# Altium PCB 2-quilter-output.PcbDoc (part 26 of 26)
Units mil, origin at the board's own origin, x right, y up, seen from the top; angles counter-clockwise.
Board outline 4130.55 x 4250 mil, 8 copper layers (L1, Ground L2, L3, Power L4, Ground L5, L6, Ground L7, L8), stack 62.985 mil thick; 591 components, 494 nets, 2245 pads, 1508 vias.
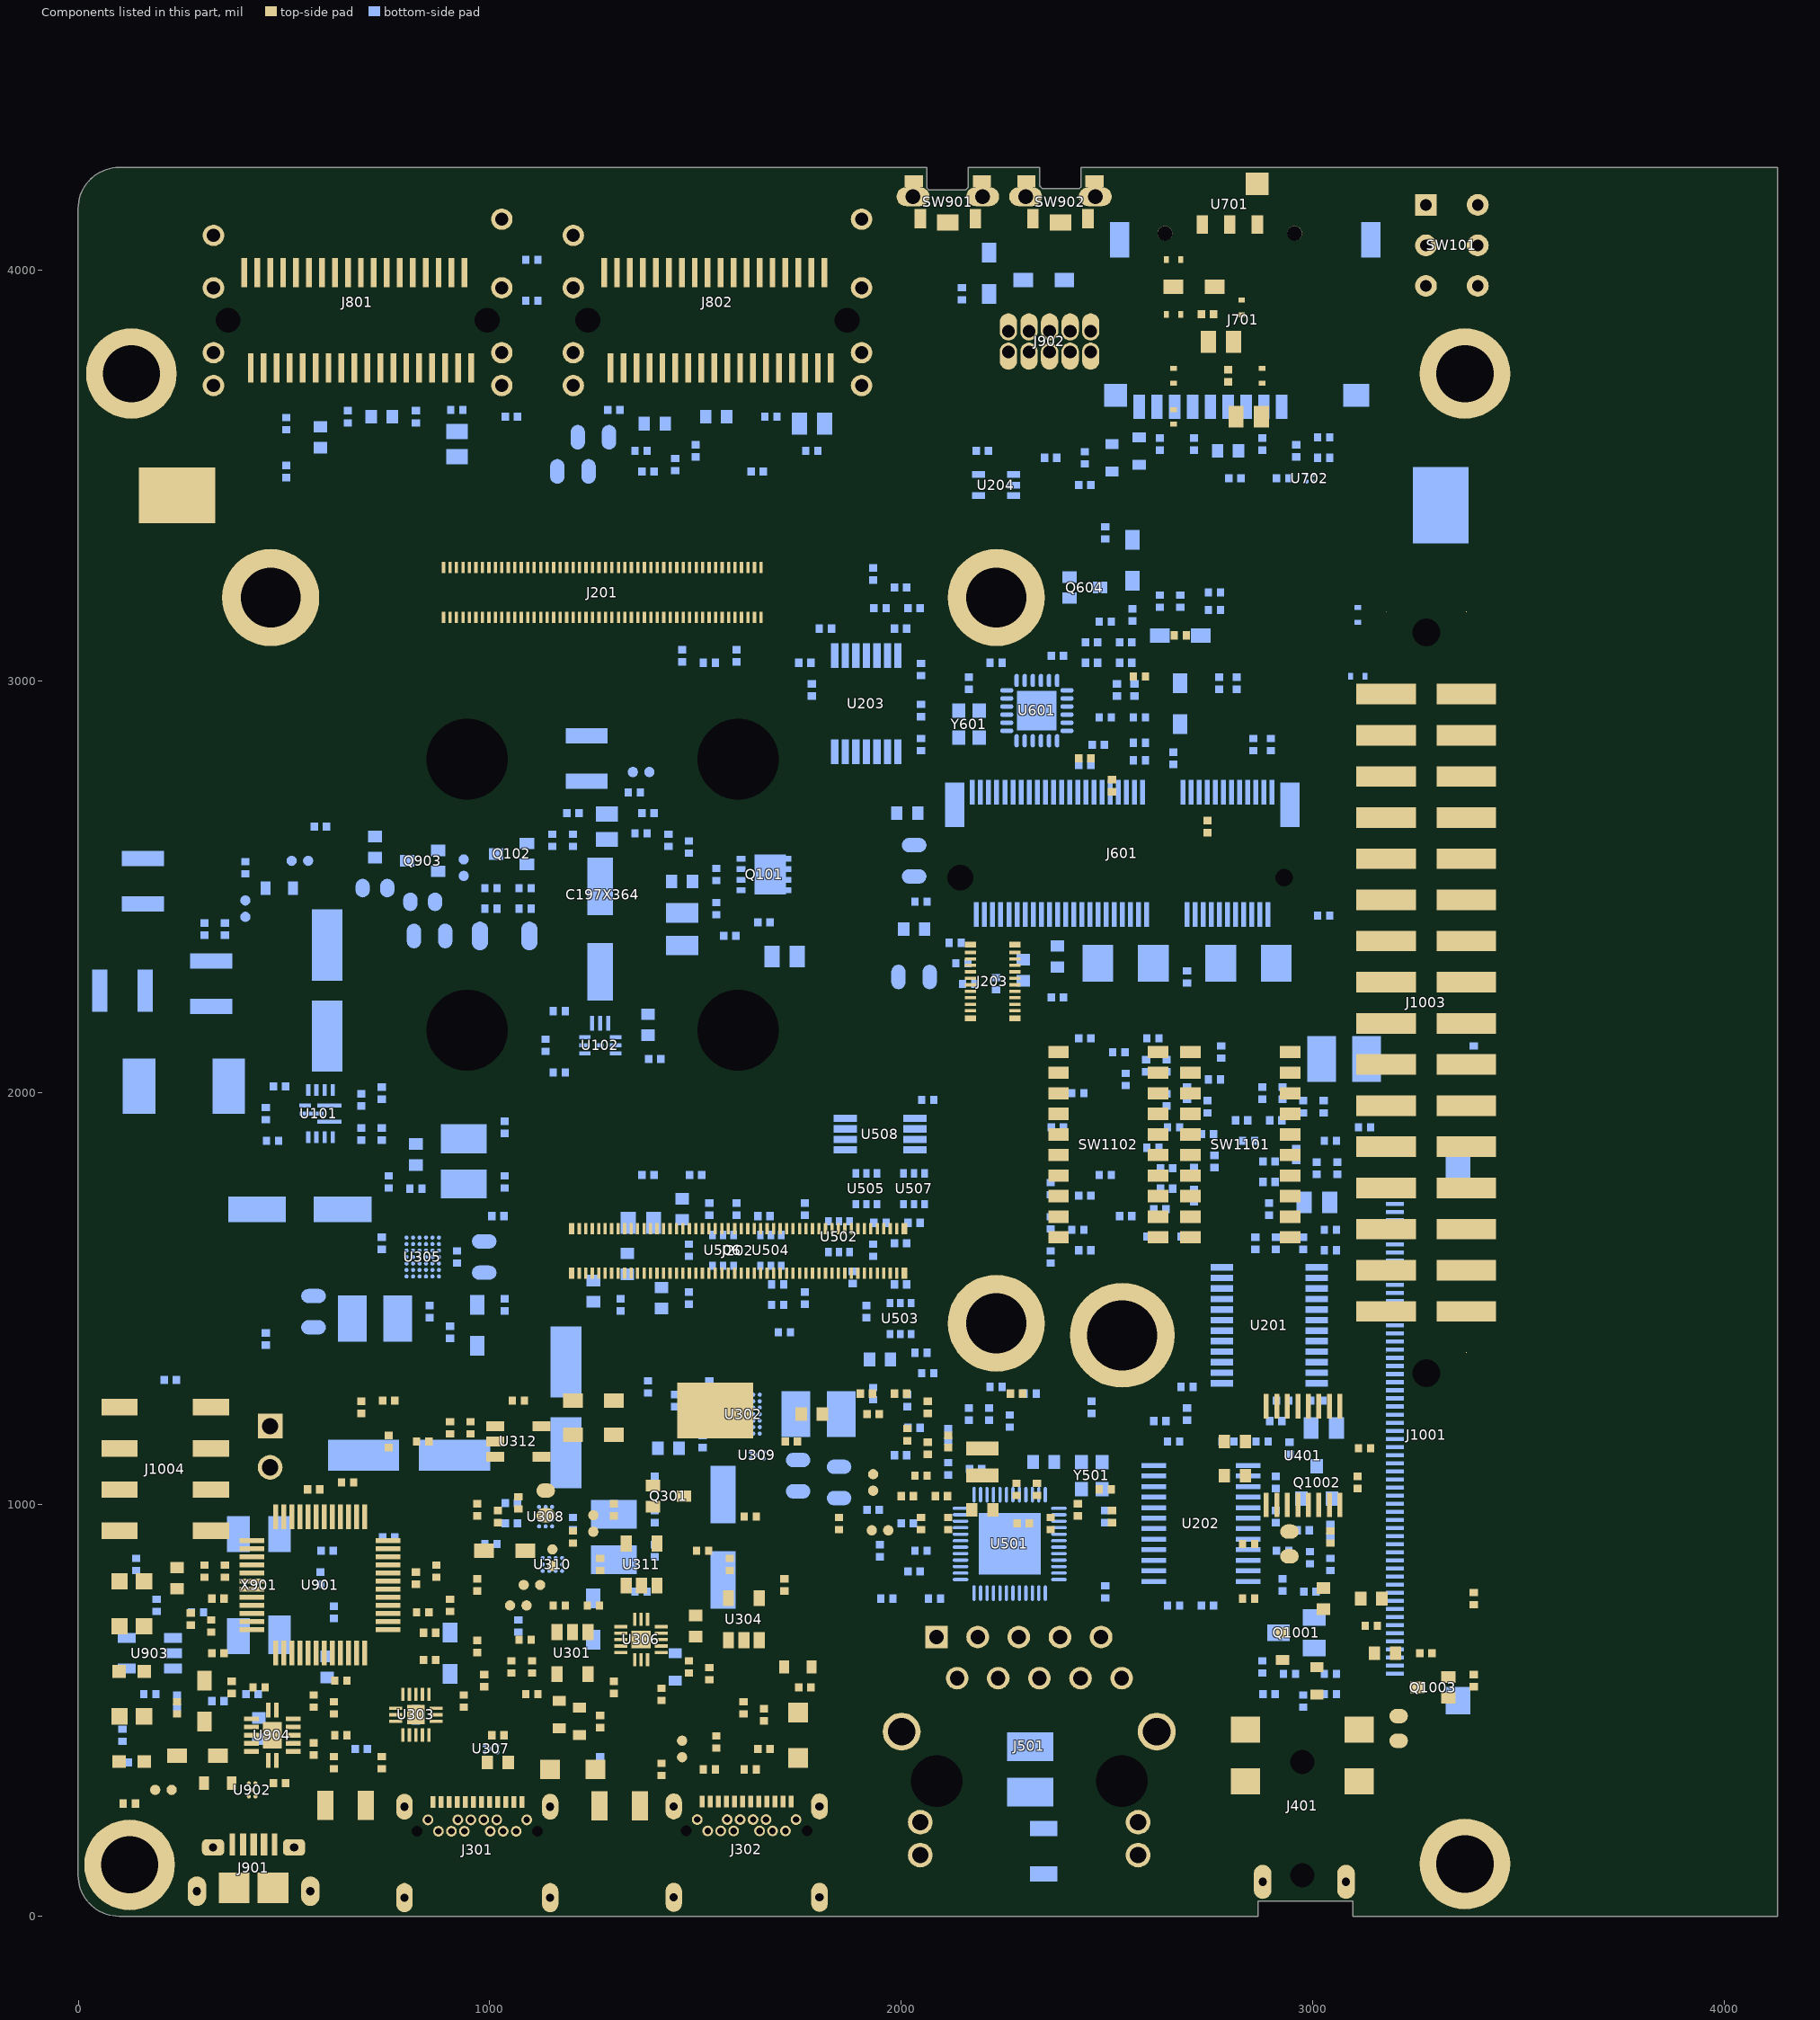
[diagram p32: the components of this part, seen from the top]

## Polygon pours and split planes (outlines as drawn) (continued)
VDD_3V3 on L8 "POUR_142" (solid, pour order 142): 27 vertices, not listed, extent 2490.26,1757.62 2531.67,1821.77
VDD_3V3 on L8 "POUR_143" (solid, pour order 143): 39 vertices, not listed, extent 2709.57,1877.96 2752.99,1935.23
VDD_3V3 on L8 "POUR_144" (solid, pour order 144): 31 vertices, not listed, extent 2902.22,1963.81 2949.22,2005.22
VDD_3V3 on L8 "POUR_145" (solid, pour order 145): 20 vertices, not listed, extent 2552.22,2106.62 2618.27,2153.8
VDD_3V3 on L8 "POUR_146" (solid, pour order 146): 37 vertices, not listed, extent 2607.33,1794.96 2651.45,1838.37
VDD_3V3 on L8 "POUR_147" (solid, pour order 147): 27 vertices, not listed, extent 2307.51,1894.56 2386.03,1937.98
VDD_3V3 on L8 "POUR_148" (solid, pour order 148): 28 vertices, not listed, extent 2606.38,1628.94 2647.79,1684.58
VDD_3V3 on L8 "POUR_149" (solid, pour order 149): 37 vertices, not listed, extent 2623.8,2030.22 2673.24,2071.63
VDD_3V3 on L8 "POUR_150" (solid, pour order 150): 29 vertices, not listed, extent 188.11,1274.94 229.52,1323.72
VDD_3V3 on L8 "POUR_151" (solid, pour order 151): 29 vertices, not listed, extent 1810.13,3106.48 1851.54,3159.02
VDD_3V3 on L8 "POUR_152" (solid, pour order 152): 37 vertices, not listed, extent 2726.16,2008.03 2767.57,2054.19
VDD_3V3 on L8 "POUR_153" (solid, pour order 153): 31 vertices, not listed, extent 2866.05,1911.17 2916.87,1954.58
VDD_3V3 on L8 "POUR_154" (solid, pour order 154): 30 vertices, not listed, extent 1948.67,1316.26 2000.08,1380.02
VDD_3V3 on L8 "POUR_155" (solid, pour order 155): 23 vertices, not listed, extent 1389.51,1498.39 1470.71,1554.77
VDD_3V3 on L8 "POUR_156" (solid, pour order 156): 31 vertices, not listed, extent 1306.8,1519.97 1363.21,1584.35
VDD_3V3 on L8 "POUR_157" (solid, pour order 157): 30 vertices, not listed, extent 2794.69,3525.54 2846.1,3588.03
VDD_3V3 on L8 "POUR_158" (solid, pour order 158): 34 vertices, not listed, extent 2545.15,1051.02 2655.94,1112.03
VDD_3V3 on L8 "POUR_159" (solid, pour order 159): 37 vertices, not listed, extent 1260.75,3497.98 1328.83,3634.77
VDD_3V3 on L8 "POUR_160" (solid, pour order 160): 49 vertices, not listed, extent 1964.41,2239.76 2023.68,2340.14
VDD_3V3 on L8 "POUR_161" (solid, pour order 161): 26 vertices, not listed, extent 1823.93,1860.8 1936.51,1933.17
VDD_3V3 on L8 "POUR_162" (solid, pour order 162): 43 vertices, not listed, extent 2969.33,3462.76 3002.66,3502.21
VDD_3V3_U601 on L8 "POUR_164" (solid, pour order 164): 62 vertices, not listed, extent 2243.49,2974.42 2298.21,3029.75
VDD_3V3_U601 on L8 "POUR_165" (solid, pour order 165): 41 vertices, not listed, extent 2095.79,2293 2153.79,2424.98
VDD_5V on L8 "POUR_173" (solid, pour order 173): 20 vertices, not listed, extent 1677.42,3587.81 1851.74,3734.49
VDD_5V on L8 "POUR_174" (solid, pour order 174): 38 vertices, not listed, extent 814.82,1731.56 1004.59,1824.97
VDD_5V on L8 "POUR_175" (solid, pour order 175): 26 vertices, not listed, extent 882.31,3518.28 1058.95,3694.36
VDD_5V on L8 "POUR_176" (solid, pour order 176): 36 vertices, not listed, extent 1642.1,2292.89 1716.37,2436.02
VDD_5V on L8 "POUR_177" (solid, pour order 177): 51 vertices, not listed, extent 1548.37,2359.41 1745.38,2590.46
VDD_5V on L8 "POUR_178" (solid, pour order 178): 23 vertices, not listed, extent 1047.89,637.94 1158.18,710.3
VDD_5V on L8 "POUR_179" (solid, pour order 179): 27 vertices, not listed, extent 1665.12,1046.3 1791.19,1286.71
VDD_5V on L8 "POUR_180" (solid, pour order 180): 73 vertices, not listed, extent 1576.73,1202.34 1625.81,1267.17
VDD_5V on L8 "POUR_181" (solid, pour order 181): 47 vertices, not listed, extent 1576.73,1222.65 1675.86,1285.39
VDD_5V on L8 "POUR_182" (solid, pour order 182): 64 vertices, not listed, extent 828.56,1526.57 877.64,1617.5
VLDO_3V3 on L8 "POUR_192" (solid, pour order 192): 29 vertices, not listed, extent 1017.54,981.48 1058.95,1030.95
VLDO_3V3 on L8 "POUR_193" (solid, pour order 193): 21 vertices, not listed, extent 1352.18,1189.1 1430.39,1291.36
VLDO_3V3 on L8 "POUR_194" (solid, pour order 194): 27 vertices, not listed, extent 930.66,1321.4 1058.12,1520.1
VLDO_3V3 on L8 "POUR_195" (solid, pour order 195): 39 vertices, not listed, extent 1075.98,964.01 1136.86,1010.27
VPCIE_3V3 on L8 "POUR_197" (solid, pour order 197): 37 vertices, not listed, extent 2149.51,2258.96 2345.72,2475.49
VPCIE_3V3 on L8 "POUR_198" (solid, pour order 198): 33 vertices, not listed, extent 2854.57,2377.44 3032.99,2481.11
VPCIE_3V3 on L8 "POUR_199" (solid, pour order 199): 27 vertices, not listed, extent 2614.57,2769.99 2683.8,2818.7
VPCIE_3V3 on L8 "POUR_200" (solid, pour order 200): 40 vertices, not listed, extent 2444.15,2803.82 2518.5,2867.66
VPCIE_3V3 on L8 "POUR_201" (solid, pour order 201): 25 vertices, not listed, extent 2563.27,2231.64 2868.04,2398.26
VPCIE_3V3 on L8 "POUR_202" (solid, pour order 202): 66 vertices, not listed, extent 1989.99,2239.76 2147.33,2555.05
ENET_AVDDL_1V1 on L1 "POUR_3" (solid, pour order 3): 27 vertices, not listed, extent 2356.96,979.23 2502.15,1094.76
ENET_DVDDL_1V1 on L1 "POUR_10" (solid, pour order 10): 42 vertices, not listed, extent 2146,958.38 2302.26,1106.38
ENET_LX on L1 "POUR_15" (solid, pour order 15): 36 vertices, not listed, extent 2146,1106.49 2332.98,1163.9
SYS_5V on L1 "POUR_23" (solid, pour order 23): 24 vertices, not listed, extent 1174.79,1529.4 1312.23,1749.39
USB1_OTG_VBUS on L1 "POUR_34" (solid, pour order 34): 51 vertices, not listed, extent 992.47,208.33 1041.89,302.45
USB1_OTG_VBUS on L1 "POUR_35" (solid, pour order 35): 40 vertices, not listed, extent 897.98,208.33 947.4,333.5
USB1_OTG_VBUS on L1 "POUR_36" (solid, pour order 36): 34 vertices, not listed, extent 667.63,221.58 773.07,378.27
USB1_OTG_VBUS on L1 "POUR_37" (solid, pour order 37): 31 vertices, not listed, extent 1013.3,320.02 1182.9,489.49
USB1_OTG_VBUS on L1 "POUR_38" (solid, pour order 38): 31 vertices, not listed, extent 915.18,486.27 962.35,527.68
USB1_OTG_VBUS_F on L1 "POUR_41" (solid, pour order 41): 26 vertices, not listed, extent 724.47,467.71 799.26,504.24
USB1_OTG_VBUS_F on L1 "POUR_42" (solid, pour order 42): 29 vertices, not listed, extent 569.21,221.58 672.41,316
USB2_OTG_VBUS on L1 "POUR_52" (solid, pour order 52): 51 vertices, not listed, extent 1552.6,209.08 1602.02,303.2
USB2_OTG_VBUS on L1 "POUR_53" (solid, pour order 53): 40 vertices, not listed, extent 1523.8,334.02 1671.82,457.6
USB2_OTG_VBUS on L1 "POUR_54" (solid, pour order 54): 45 vertices, not listed, extent 1443.51,361.32 1498.58,409.74
USB2_OTG_VBUS on L1 "POUR_55" (solid, pour order 55): 22 vertices, not listed, extent 1694.97,286.92 1792.75,419.33
USB2_OTG_VBUS_F on L1 "POUR_58" (solid, pour order 58): 39 vertices, not listed, extent 1350.57,573.55 1383.89,649.65
USB2_OTG_VBUS_F on L1 "POUR_59" (solid, pour order 59): 33 vertices, not listed, extent 1235.83,220.33 1298.25,320.81
VBUS_IN on L1 "POUR_69" (solid, pour order 69): 621.01,2259.78 679.38,2294.53 721.77,2336.92 806.56,2252.13 751.82,2142.86 699.25,2144.82 663.22,2142.86 610.65,2142.86 598.87,2237.64
VDD_1V8 on L1 "POUR_81" (solid, pour order 81): 37 vertices, not listed, extent 1386.93,3657.25 1469.98,3808.43
VDD_1V8 on L1 "POUR_82" (solid, pour order 82): 29 vertices, not listed, extent 526.49,3661.93 604.84,3808.43
VDD_1V8 on L1 "POUR_83" (solid, pour order 83): 29 vertices, not listed, extent 1355,1508.59 1501.23,1620.25
VDD_1V8_U601_2 on L1 "POUR_93" (solid, pour order 93): 18 vertices, not listed, extent 2449.37,2936.81 2585.1,3050.08
VDD_3V3 on L1 "POUR_103" (solid, pour order 103): 27 vertices, not listed, extent 3023.56,956.81 3058.97,1048.57
VDD_3V3 on L1 "POUR_104" (solid, pour order 104): 31 vertices, not listed, extent 2799.64,749.06 2850.51,792.47
VDD_3V3 on L1 "POUR_105" (solid, pour order 105): 25 vertices, not listed, extent 1696.24,1117.22 1739.08,1174.3
VDD_3V3 on L1 "POUR_106" (solid, pour order 106): 34 vertices, not listed, extent 2716.97,3699 2816.51,3863.44
VDD_3V3 on L1 "POUR_107" (solid, pour order 107): 1627.66,979.98 1627.95,982.59 1628.82,985.06 1640.24,1018.25 1700.93,1018.25 1760.89,1018.25 1760.89,898.34 1700.2,898.34 1640.24,898.34 1628.82,954.9 1627.95,957.38 1627.66,959.98
VDD_3V3 on L1 "POUR_108" (solid, pour order 108): 25 vertices, not listed, extent 1386.93,349.78 1440.09,410.58
VDD_3V3 on L1 "POUR_109" (solid, pour order 109): 21 vertices, not listed, extent 1275.15,486.95 1338.23,560.89
VDD_3V3 on L1 "POUR_110" (solid, pour order 110): 31 vertices, not listed, extent 1992.61,1247.1 2034.02,1294.21
VDD_3V3 on L1 "POUR_111" (solid, pour order 111): 37 vertices, not listed, extent 1926.25,1197.3 1970.37,1240.71
VDD_3V3 on L1 "POUR_112" (solid, pour order 112): 37 vertices, not listed, extent 2090.21,1146.65 2136.38,1189.66
VDD_3V3 on L1 "POUR_113" (solid, pour order 113): 29 vertices, not listed, extent 1081.06,569.28 1130.49,610.69
VDD_3V3 on L1 "POUR_114" (solid, pour order 114): 29 vertices, not listed, extent 1462.6,563.41 1506.01,610.69
VDD_3V3 on L1 "POUR_115" (solid, pour order 115): 26 vertices, not listed, extent 1693.59,1185.84 1783.02,1247.21
VDD_3V3 on L1 "POUR_116" (solid, pour order 116): 24 vertices, not listed, extent 2710.05,1041.39 2811.51,1112.17
VDD_3V3 on L1 "POUR_117" (solid, pour order 117): 19 vertices, not listed, extent 2998.84,753.06 3101.64,839.45
VDD_3V3 on L1 "POUR_118" (solid, pour order 118): 1266.36,1234.71 1266.36,1269.71 1266.65,1272.31 1275.31,1315.68 1275.31,1353.48 1350.92,1353.48 1356.13,1263.27 1350.92,1225.47 1332.49,1221.8 1326.07,1223 1278.07,1223 1271.64,1221.8 1267.52,1229.63 1266.65,1232.1
VDD_3V3 on L1 "POUR_119" (solid, pour order 119): 40 vertices, not listed, extent 1359.57,1623.69 1501.91,1701.77
VDD_3V3 on L1 "POUR_120" (solid, pour order 120): 228.75,1178.72 228.75,1296.45 250.64,1318.34 303.48,1371.17 409.15,1265.5 378.19,1178.72
VDD_3V3 on L1 "POUR_121" (solid, pour order 121): 175.1,1310.51 159.2,1227.32 175.1,1161.07 100.37,1161.07 25.65,1161.07 25.65,1310.51 100.38,1310.51
VDD_5V on L1 "POUR_166" (solid, pour order 166): 23 vertices, not listed, extent 1735.67,3653.66 1816.43,3818.4
VDD_5V on L1 "POUR_167" (solid, pour order 167): 24 vertices, not listed, extent 872.95,3699.75 941.86,3818.4
VDD_5V on L1 "POUR_168" (solid, pour order 168): 29 vertices, not listed, extent 1191.58,543.34 1346.68,671.11
VDD_5V on L1 "POUR_169" (solid, pour order 169): 41 vertices, not listed, extent 789.31,510.04 991.77,660.5
VDD_5V on L1 "POUR_170" (solid, pour order 170): 25 vertices, not listed, extent 1050.71,629.42 1160.03,692.86
VDD_5V on L1 "POUR_171" (solid, pour order 171): 35 vertices, not listed, extent 3289.92,3016.21 3458.22,3221.35
VDD_5V on L1 "POUR_172" (solid, pour order 172): 1659.21,1227.61 1670.91,1239.31 1687.34,1225.19 1692.04,1218.18 1726.56,1077.04 1704.42,1054.9 1686.16,1063.61 1685.11,1063.98 1684.17,1064.57 1683.38,1065.35 1682.79,1066.29 1658.19,1101.12
VLDO_3V3 on L1 "POUR_183" (solid, pour order 183): 28 vertices, not listed, extent 1293.77,873.35 1356.89,935.76
VLDO_3V3 on L1 "POUR_184" (solid, pour order 184): 33 vertices, not listed, extent 947.94,980.64 1091.3,1087.03
VLDO_3V3 on L1 "POUR_185" (solid, pour order 185): 37 vertices, not listed, extent 1050.71,856.81 1225.27,955.64
VLDO_3V3 on L1 "POUR_186" (solid, pour order 186): 40 vertices, not listed, extent 1091.99,1166.29 1247.92,1281.41
VPCIE_3V3 on L1 "POUR_196" (solid, pour order 196): 20 vertices, not listed, extent 2508.59,2545.45 2700.56,2831.73
ENET_AVDDL_1V1 on L6 "POUR_4" (solid, pour order 4): 2218.98,766.89 2338.11,766.89 2366.52,766.89 2360.53,754.97 2360.17,753.92 2359.58,752.98 2366.52,710.06 2247.39,710.06 2218.98,710.06
ENET_AVDDL_1V1 on L6 "POUR_5" (solid, pour order 5): 2359.16,1117.76 2407.48,1069.44 2427.57,1049.35 2387.39,1009.17 2339.07,1057.48 2318.98,1077.57
ENET_AVDDL_1V1 on L6 "POUR_6" (solid, pour order 6): 2390.58,910.11 2429.57,931.07 2442.18,943.68 2467.4,918.46 2433.83,855.07 2390.58,855.07 2386.98,888.48
USB1_OTG_VBUS_F on L6 "POUR_43" (solid, pour order 43): 629.39,255.97 616.78,268.58 718.79,456.2 728.28,478.13 728.87,479.07 729.66,479.86 730.6,480.45 731.64,480.82 732.75,480.94 733.85,480.82 734.9,480.45 740.36,478.52 753.18,466.12 737.09,363.67 635.69,262.28
USB1_OTG_VBUS_F on L6 "POUR_44" (solid, pour order 44): 906.01,522.35 884.38,522.35 884.38,565.61 1001.8,658.52 1125.28,700.65 1253.28,758.55 1352.06,774.43 1373.05,753.44 1332.73,713.12 1211.13,655.22 1104.14,615.27 932.89,528.44 915.15,522.35
USB2_VBUS_IN on L6 "POUR_63" (solid, pour order 63): 569.43,1463.45 500.46,1532.42 607.81,1687.9 705.35,1687.9 705.35,1599.37 603.92,1497.94
VDDEXT_3V3 on L6 "POUR_75" (solid, pour order 75): 1432.95,2646.71 1453.99,2667.65 1476.21,2646.71 1496.56,2625.08 1491.79,2515.95 1491.79,2494.32 1448.53,2494.32 1412.01,2625.67
VDD_3V3_U601 on L6 "POUR_163" (solid, pour order 163): 2195.83,2835.13 2201.75,2989.57 2220.56,3008.37 2238.3,3008.37 2251.59,3003.38 2259.94,3000.24 2225.51,2482.97 2152.07,2409.52 2141.57,2399.03 2120.58,2420.02
VLDO_3V3 on L6 "POUR_187" (solid, pour order 187): 911.3,1351.82 961.08,1401.6 1010.52,1352.16 1035.41,1327.27 1007.26,1216.63 964,1216.63
VLDO_3V3 on L6 "POUR_188" (solid, pour order 188): 1004.6,1022.68 1020.77,1038.85 1036.07,1054.15 1066.65,1023.56 1050.48,1007.39 1035.19,992.09
VLDO_3V3 on L6 "POUR_189" (solid, pour order 189): 1075.67,978.85 1093.51,978.85 1107.85,927.99 1095.24,915.38 1075.67,934.94 1075.67,969.93
VLDO_3V3 on L6 "POUR_190" (solid, pour order 190): 1220.32,916.7 1309.43,944.98 1340.02,914.4 1286.56,860.94 1271.27,845.65 1216.64,842.6 1186.84,854.67 1186.84,872.5 1195.1,891.48
VLDO_3V3 on L6 "POUR_191" (solid, pour order 191): 1236.22,1302.01 1423.11,1255.68 1423.11,1171.71 1274.76,1163.91 1232.78,1171.71 1211.33,1227.35 1186.44,1252.24
GND on Ground L2 "POUR_203" (solid, pour order 203): 218 vertices, not listed, extent 11.51,10.67 4118.3,4236.91
GND on Ground L5 "POUR_204" (solid, pour order 204): 218 vertices, not listed, extent 11.51,10.67 4118.3,4236.91
GND on Ground L7 "POUR_205" (solid, pour order 205): 218 vertices, not listed, extent 11.51,10.67 4118.3,4236.91
VDD_3V3 on Power L4 "POUR_206" (solid, pour order 206): 218 vertices, not listed, extent 11.51,10.67 4118.3,4236.91

## Keep-outs
Multi-Layer:
  region: 2832.63,-25.21 2832.63,58.79 3134.63,58.79 3134.63,-25.21

## Silkscreen, mask and mechanical layers (free items; w line width, h text height)
Top Overlay:
  circle w8: c2434.63,2801.44 r39
  lines w5: 63.63,862.79 33.63,862.79 34.54,292.74 105.12,292.74 ; 3539.3,3414.26 4117.54,3414.26 4119.13,3414.14 ; 3542.72,2551.1 4120.96,2551.1 4122.55,2550.98 ; 3545.68,4179.61 4123.92,4179.61 4125.51,4179.49 ; 3546.98,1782.53 4125.22,1782.53 4126.81,1782.41 ; 3677.99,4170.12 3678.24,4169.04 3678.24,1788.09 ; 3797.04,4165.87 3797.29,4164.79 3797.29,1783.84 ; 3930.45,4168.81 3930.7,4167.73 3930.7,1786.78 ; 349.69,1421.63 ccw(c449.69,1421.63) 449.69,1321.63 2249.69,1321.63 ccw(c2249.69,1421.63) 2349.69,1421.63 2349.69,3221.63 ccw(c2249.69,3221.63) 2249.69,3321.63 449.69,3321.63 ccw(c449.69,3221.63) 349.69,3221.63 349.69,1421.63
  lines w6: 3732.63,3.79 3732.63,1578.79 4126.63,1578.79 4126.63,3.79 3732.63,3.79
  lines w8: 2449.63,2816.44 ccw(c2434.63,2800.44) 2454.63,2791.44
  lines w20: 3143.39,4051.92 3233.39,4051.92 ; 3193.39,4011.92 cw(c3143.39,4051.9) 3143.39,3987.88 cw(c3143.39,4051.92) 3193.4,4091.93
  text "ON" at 3109.31,4234 h59.8 r270
  text "Download Mode" at 3605.44,4169.86 h50 r270
  text "eMMC/SDHC3" at 3985.98,4169.86 h50 r270
  text "MicroSD/SDHC2" at 3844.12,4167.4 h50 r270
  text "NAND Flash" at 3721.25,4163.31 h50 r270
  text "IR" at 2933.23,4144.24 h35
  text "RESET" at 2316.41,4021.99 h59.8
  text "ONOFF" at 1989.49,4020.53 h59.8
  text "OFF" at 3112.37,3966.8 h59.8 r270
  text "GND" at 2800.13,3829.12 h35
  text "1V8" at 1999.13,3826.29 h31
  text "JTAG" at 2522.9,3761.88 h59.8
  text "DSI MIPI" at 467.33,3561.89 h59.8
  text "3V3" at 1078.63,3561.29 h25
  text "CSI MIPI" at 1341.73,3552.86 h59.8
  text "GND" at 3145.13,3428.12 h35
  text "GND" at 233.13,3387.12 h31
  text "8MMINI-BB" at 871.21,3372.48 h100
  text "1010XXXXXX SW1101" at 3622.42,3366.75 h35 r270
  text "XXXXXXXXX0 SW1102" at 3555.42,3362.75 h35 r270
  text "0001010100 SW1102" at 3943.78,3362.62 h35 r270
  text "0001101000 SW1102" at 3806.78,3360.62 h35 r270
  text "0110110010 SW1101" at 3869.78,3360.62 h35 r270
  text "0110110001 SW1101" at 4006.78,3361.43 h35 r270
  text "1000111100 SW1102" at 3693.99,3360.48 h35 r270
  text "0110000000 SW1101" at 3746.29,3359.75 h35 r270
  text "8MMINI" at 4058.25,3096.32 h59.8 r270
  text "2018 NXP" at 2489.63,2771.44 h35
  text "1100 SW1101[1-4]" at 3872.84,2533.33 h35 r270
  text "0100 SW1101[1-4]" at 4006.77,2524.82 h35 r270
  text "1000 SW1101[1-4]" at 3618.19,2524.46 h35 r270
  text "0010 SW1101[1-4]" at 3741.03,2520.57 h35 r270
  text "8MNANO" at 4062.5,2328.86 h59.8 r270
  text "2" at 3008.02,2081.51 h59.8 r270
  text "3" at 3008.02,2031.51 h59.8 r270
  text "4" at 3008.02,1981.51 h59.8 r270
  text "5" at 3008.02,1931.51 h59.8 r270
  text "6" at 3008.02,1881.51 h59.8 r270
  text "7" at 3008.02,1831.51 h59.8 r270
  text "910" at 3012.33,1735.59 h59.8 r270
  text "ON" at 2918.64,1552.92 h59.8 r270
  text "WIFI/BT ANTENNA" at 3573.63,1536.29 h100 r270
  text "I2C_CN" at 92.25,1318.5 h35
  text "VLDO_3V3" at 698.05,1250.66 h25
  text "DCDC_5V" at 1110.63,1194.79 h25
  text "VBUS_IN" at 528.79,1176.65 h35
  text "VDD_5V" at 777.63,1100.29 h25
  text "GND" at 541.79,1097.27 h35
  text "GND" at 1512.25,1067.5 h35
  text "GND" at 2738.06,1001.8 h35
  text "PWR" at 97.63,750.79 h25
  text "A53TX" at 74.65,636.91 h25
  text "A53RX" at 70.63,530.79 h25
  text "DN1" at 1014.3,497.29 h31 r90
  text "DP1" at 958.3,495.29 h31 r90
  text "L" at 2738.13,430.29 h40.2
  text "R" at 3191.13,430.29 h40.2
  text "M4TX" at 85.63,414.79 h25
  text "PORT2" at 1563.79,318.67 h35
  text "M4RX" at 85.63,314.79 h25
  text "PORT1" at 900.53,315.48 h35
  text "LINEOUT" at 3236.13,108.29 h40.2 r90
  text "POWER" at 1892.33,26.24 h40.2 r90
  text "Downlood" at 1229.13,22.29 h40.2 r90
  text "TYPE-C" at 1956.13,20.29 h40.2 r90
  text "DEBUG" at 657.13,19.29 h40.2 r90
Board Layer Stack Bottom Overlay:
  circle w7: c135.33,1109.2 r7.5
  lines w5: 126.48,2745.54 58.45,2745.54 58.45,2821.54 128.07,2821.54 ; 1232.46,2884.25 1232.46,2787 1319.09,2787 ; 1496.21,1948.25 1555.2,1948.25 1555.2,2023.73 1496.21,2023.73 ; 1936.63,1416.79 3050.63,1416.79 ; 1936.63,2616.79 3136.63,2616.79 3136.63,1416.79 3125.63,1416.79 ; 2980.67,1274.32 2980.68,1274.32 2980.68,1016.01 3049.77,1016.01 3049.77,960.2 3131.62,960.2 3131.62,1345 3055.62,1345 3055.62,1292.38 2980.68,1292.38 2980.68,1273.78 ; 3041.63,1416.79 1935.63,1416.79 1935.63,2616.79 3135.63,2616.79 ; 3115.63,1416.79 3135.63,1416.79 ; 128.07,2821.54 128.07,2744.48 272.1,2744.48 272.1,2690.8 352.35,2690.8 352.35,2821.54 128.07,2821.54 ; 1319.09,2787 1319.09,2885.32 1075.15,2885.32 1075.15,2949.62 1085.24,2949.62 1446.64,2949.62 1446.64,2787 1319.09,2787 ; 1177.83,1878.63 1177.83,2145.97 1191.64,2145.97 1493.53,2145.97 1493.53,1849.4 1326.64,1849.4 1326.64,1878.63 1177.83,1878.63 ; 2412.63,3148.79 2613.63,3148.79 2613.63,3024.79 2684.63,3024.79 2684.63,3261.79 2540.63,3261.79 2540.63,3395.79 2412.63,3395.79 2412.63,3148.79
  lines w7: 84.13,1137.6 300.63,914.7 ; 97.33,916.4 305.63,1141.1 ; 142.43,1099.2 129.13,1098.9 264.93,1098.9 ; 142.43,1100.5 142.43,1101 154.13,969.1 ; 178.93,944.3 232.13,944.3 232.13,956.7 244.83,1106.2 ; 217.83,934.2 217.83,939.2 ; 222.83,1104.2 222.83,1119.2 ; 72.83,899.2 72.83,1149.2 322.83,1149.2 322.83,899.2 72.83,899.2 ; 127.83,1065.5 145.33,1065.5 144.13,1084.5 127.83,1084.5 127.83,1065.5 ; 142.23,948.1 cw(c159.83,948.1) 159.83,965.7 cw(c159.83,948.1) 177.43,948.1 cw(c159.83,948.1) 159.83,930.5 cw(c159.83,948.1) 142.23,948.1 ; 144.63,1109.5 cw(c169.53,1080.69) 171.83,1118.7 144.63,1109.5 ; 155.93,948.1 ccw(c159.83,948.1) 159.83,944.2 ccw(c159.83,948.1) 163.73,948.1 ccw(c159.83,948.1) 159.83,952 ccw(c159.83,948.1) 155.93,948.1 ; 169.33,1050.4 203.93,1050.4 203.93,1059.7 169.33,1059.7 169.33,1050.4 ; 172.43,1115.8 207.03,1115.8 207.03,1125.4 172.43,1125.4 172.43,1115.8 ; 207.93,1119.2 cw(c206.15,1050.51) 244.83,1107.3 207.93,1119.2

## Text inside footprints (layer, text, board x,y; h text height)
J601: Board Layer Stack Bottom Overlay "75" at 2192.43,2786.41 h31; Board Layer Stack Bottom Overlay "74" at 2192.63,2353.79 h31; Board Layer Stack Bottom Overlay "22" at 2682.63,2353.79 h31; Board Layer Stack Bottom Overlay "32" at 2612.63,2353.79 h31; Bottom Pin Number "33" at 2575.2,2721.34 h15 r270; Bottom Pin Number "7" at 2842.08,2728.02 h15 r270; Bottom Pin Number "1" at 2906.49,2731.23 h15 r270; Bottom Pin Number "55" at 2358.67,2721.34 h15 r270; Bottom Pin Number "53" at 2378.35,2721.34 h15 r270; Bottom Pin Number "54" at 2367.92,2423.74 h15 r270; Bottom Pin Number "62" at 2290.43,2424.49 h15 r270; Bottom Pin Number "44" at 2466.34,2423.74 h15 r270; Bottom Pin Number "46" at 2447.85,2424.46 h15 r270; Bottom Pin Number "48" at 2427.56,2424.1 h15 r270; Bottom Pin Number "6" at 2847.51,2431.14 h15 r270; Bottom Pin Number "16" at 2745.09,2425.64 h15 r270; Bottom Pin Number "67" at 2241.22,2721.73 h15 r270; Bottom Pin Number "65" at 2260.9,2721.73 h15 r270; Bottom Pin Number "61" at 2305.62,2724.95 h15 r270; Bottom Pin Number "59" at 2319.9,2721.7 h15 r270; Bottom Pin Number "73" at 2181.5,2721.34 h15 r270; Bottom Pin Number "71" at 2206.55,2724.55 h15 r270; Bottom Pin Number "64" at 2270.14,2424.14 h15 r270; Bottom Pin Number "68" at 2231.37,2424.49 h15 r270; Bottom Pin Number "70" at 2211.03,2424.1 h15 r270; Bottom Pin Number "66" at 2251.65,2424.85 h15 r270; Bottom Pin Number "38" at 2525.99,2424.1 h15 r270; Bottom Pin Number "40" at 2506.3,2424.1 h15 r270; Bottom Pin Number "42" at 2486.62,2424.1 h15 r270; Bottom Pin Number "43" at 2476.78,2721.34 h15 r270; Bottom Pin Number "41" at 2501.82,2724.55 h15 r270; Bottom Pin Number "60" at 2310.11,2424.49 h15 r270; Bottom Pin Number "58" at 2329.14,2424.1 h15 r270; Bottom Pin Number "56" at 2349.42,2424.46 h15 r270; Bottom Pin Number "5" at 2861.76,2728.02 h15 r270; Bottom Pin Number "3" at 2881.45,2728.02 h15 r270; Bottom Pin Number "34" at 2564.77,2423.74 h15 r270; Bottom Pin Number "36" at 2546.28,2424.46 h15 r270; Bottom Pin Number "22" at 2683.47,2424.1 h15 r270; Bottom Pin Number "32" at 2585.05,2424.1 h15 r270; Bottom Pin Number "14" at 2763.58,2424.92 h15 r270; Bottom Pin Number "12" at 2783.86,2425.28 h15 r270; Bottom Pin Number "10" at 2803.55,2425.28 h15 r270; Bottom Pin Number "8" at 2827.24,2430.78 h15 r270; Bottom Pin Number "50" at 2407.88,2424.1 h15 r270; Bottom Pin Number "21" at 2698.67,2724.55 h15 r270; Bottom Pin Number "23" at 2673.63,2721.34 h15 r270; Bottom Pin Number "19" at 2715.56,2722.88 h15 r270; Bottom Pin Number "17" at 2734.65,2722.52 h15 r270; Bottom Pin Number "15" at 2754.34,2722.52 h15 r270; Bottom Pin Number "13" at 2774.02,2722.52 h15 r270; Bottom Pin Number "11" at 2799.06,2725.73 h15 r270; Bottom Pin Number "9" at 2822.99,2728.38 h15 r270; Bottom Pin Number "35" at 2555.52,2721.34 h15 r270; Bottom Pin Number "37" at 2535.83,2721.34 h15 r270; Bottom Pin Number "20" at 2703.16,2424.1 h15 r270; Bottom Pin Number "74" at 2171.07,2423.74 h15 r270; Bottom Pin Number "72" at 2191.34,2424.1 h15 r270; Bottom Pin Number "4" at 2866.01,2430.42 h15 r270; Bottom Pin Number "2" at 2886.29,2430.78 h15 r270; Bottom Pin Number "47" at 2437.41,2721.34 h15 r270; Bottom Pin Number "49" at 2418.32,2721.7 h15 r270; Bottom Pin Number "52" at 2388.19,2424.1 h15 r270; Bottom Pin Number "18" at 2724.8,2425.28 h15 r270; Bottom Pin Number "75" at 2161.82,2721.34 h15 r270; Bottom Pin Number "63" at 2280.59,2721.73 h15 r270; Bottom Pin Number "69" at 2222.12,2722.09 h15 r270; Bottom Pin Number "51" at 2403.4,2724.55 h15 r270; Bottom Pin Number "57" at 2338.98,2721.34 h15 r270; Bottom Pin Number "39" at 2516.75,2721.7 h15 r270; Bottom Pin Number "45" at 2457.09,2721.34 h15 r270
J701: Bottom Pin Number "2" at 2893.4,3647.38 h25; Bottom Pin Number "7" at 2676.86,3647.38 h25; Bottom Pin Number "8" at 2633.55,3647.38 h25; Bottom Pin Number "5" at 2763.47,3647.38 h25; Bottom Pin Number "1" at 2925.99,3647.38 h25; Bottom Pin Number "3" at 2850.09,3647.38 h25; Bottom Pin Number "9" at 2589.06,3647.38 h25; Bottom Pin Number "4" at 2807.97,3647.38 h25; Bottom Pin Number "13" at 3136.13,3684.94 h25; Bottom Pin Number "12" at 3171.57,4062.9 h25; Bottom Pin Number "6" at 2718.98,3647.38 h25; Bottom Pin Number "11" at 2550.62,4062.9 h25; Bottom Pin Number "10" at 2551.49,3684.94 h25
J801: Top Overlay "B1" at 390.07,4208.76 h25; Top Overlay "B18" at 920.84,4204.82 h25; Top Overlay "A18" at 929.11,3602.85 h25; Top Overlay "A1" at 401.09,3603.64 h25; Top Assembly "A1" at 407.3,3606.43 h25; Top Assembly "A18" at 943.94,3606.82 h25; Top Assembly "B1" at 394.71,4208.4 h25; Top Assembly "B18" at 932.52,4202.49 h25; Top Pin Number "B18" at 948.81,3982.24 h15 r90; Top Pin Number "T8" at 1039.52,4111.77 h15 r90; Top Pin Number "A8" at 649.76,3749.96 h15 r90; Top Pin Number "A9" at 681.26,3749.96 h15 r90; Top Pin Number "A13" at 807.08,3749.96 h15 r90; Top Pin Number "A14" at 838.58,3749.96 h15 r90; Top Pin Number "A11" at 744.09,3749.96 h15 r90; Top Pin Number "B8" at 634.01,3982.24 h15 r90; Top Pin Number "A10" at 712.59,3749.96 h15 r90; Top Pin Number "B2" at 445.04,3982.24 h15 r90; Top Pin Number "A2" at 460.78,3749.96 h15 r90; Top Pin Number "B13" at 791.33,3982.24 h15 r90; Top Pin Number "B14" at 822.83,3982.24 h15 r90; Top Pin Number "B3" at 476.53,3982.24 h15 r90; Top Pin Number "B17" at 917.32,3982.24 h15 r90; Top Pin Number "A3" at 492.28,3749.96 h15 r90; Top Pin Number "B5" at 539.52,3982.24 h15 r90; Top Pin Number "B16" at 885.82,3982.24 h15 r90; Top Pin Number "B6" at 571.02,3982.24 h15 r90; Top Pin Number "A5" at 555.27,3749.96 h15 r90; Top Pin Number "A6" at 586.77,3749.96 h15 r90; Top Pin Number "A16" at 901.57,3749.96 h15 r90; Top Pin Number "A17" at 933.06,3749.96 h15 r90; Top Pin Number "B11" at 728.34,3982.24 h15 r90; Top Pin Number "B10" at 696.84,3982.24 h15 r90; Top Pin Number "B9" at 665.51,3982.24 h15 r90; Top Pin Number "T1" at 338.74,3707.44 h15 r90; Top Pin Number "A12" at 775.58,3749.96 h15 r90; Top Pin Number "A15" at 870.07,3749.96 h15 r90; Top Pin Number "T5" at 1039.52,3707.44 h15 r90; Top Pin Number "T2" at 338.74,3787.36 h15 r90; Top Pin Number "A1" at 429.29,3749.96 h15 r90; Top Pin Number "A4" at 523.78,3749.96 h15 r90; Top Pin Number "A7" at 618.26,3749.96 h15 r90; Top Pin Number "A18" at 964.56,3749.96 h15 r90; Top Pin Number "T6" at 1039.52,3787.36 h15 r90; Top Pin Number "T3" at 338.74,3944.84 h15 r90; Top Pin Number "T7" at 1039.52,3944.84 h15 r90; Top Pin Number "T4" at 338.74,4072.4 h15 r90; Top Pin Number "B1" at 413.54,3982.24 h15 r90; Top Pin Number "B4" at 508.03,3982.24 h15 r90; Top Pin Number "B7" at 602.52,3982.24 h15 r90; Top Pin Number "B12" at 759.84,3982.24 h15 r90; Top Pin Number "B15" at 854.32,3982.24 h15 r90
J802: Top Overlay "B1" at 1264.64,4208.76 h25; Top Overlay "B18" at 1795.41,4204.82 h25; Top Overlay "A18" at 1803.68,3602.85 h25; Top Overlay "A1" at 1275.66,3603.64 h25; Top Assembly "A1" at 1281.87,3606.43 h25; Top Assembly "A18" at 1818.51,3606.82 h25; Top Assembly "B1" at 1269.28,4208.4 h25; Top Assembly "B18" at 1807.09,4202.49 h25; Top Pin Number "B18" at 1823.38,3982.24 h15 r90; Top Pin Number "T8" at 1914.09,4111.77 h15 r90; Top Pin Number "A8" at 1524.33,3749.96 h15 r90; Top Pin Number "A9" at 1555.83,3749.96 h15 r90; Top Pin Number "A13" at 1681.65,3749.96 h15 r90; Top Pin Number "A14" at 1713.15,3749.96 h15 r90; Top Pin Number "A11" at 1618.66,3749.96 h15 r90; Top Pin Number "B8" at 1508.58,3982.24 h15 r90; Top Pin Number "A10" at 1587.16,3749.96 h15 r90; Top Pin Number "B2" at 1319.61,3982.24 h15 r90; Top Pin Number "A2" at 1335.35,3749.96 h15 r90; Top Pin Number "B13" at 1665.9,3982.24 h15 r90; Top Pin Number "B14" at 1697.4,3982.24 h15 r90; Top Pin Number "B3" at 1351.1,3982.24 h15 r90; Top Pin Number "B17" at 1791.89,3982.24 h15 r90; Top Pin Number "A3" at 1366.85,3749.96 h15 r90; Top Pin Number "B5" at 1414.09,3982.24 h15 r90; Top Pin Number "B16" at 1760.39,3982.24 h15 r90; Top Pin Number "B6" at 1445.59,3982.24 h15 r90; Top Pin Number "A5" at 1429.84,3749.96 h15 r90; Top Pin Number "A6" at 1461.34,3749.96 h15 r90; Top Pin Number "A16" at 1776.14,3749.96 h15 r90; Top Pin Number "A17" at 1807.63,3749.96 h15 r90; Top Pin Number "B11" at 1602.91,3982.24 h15 r90; Top Pin Number "B10" at 1571.41,3982.24 h15 r90; Top Pin Number "B9" at 1540.08,3982.24 h15 r90; Top Pin Number "T1" at 1213.31,3707.44 h15 r90; Top Pin Number "A12" at 1650.15,3749.96 h15 r90; Top Pin Number "A15" at 1744.64,3749.96 h15 r90; Top Pin Number "T5" at 1914.09,3707.44 h15 r90; Top Pin Number "T2" at 1213.31,3787.36 h15 r90; Top Pin Number "A1" at 1303.86,3749.96 h15 r90; Top Pin Number "A4" at 1398.35,3749.96 h15 r90; Top Pin Number "A7" at 1492.83,3749.96 h15 r90; Top Pin Number "A18" at 1839.13,3749.96 h15 r90; Top Pin Number "T6" at 1914.09,3787.36 h15 r90; Top Pin Number "T3" at 1213.31,3944.84 h15 r90; Top Pin Number "T7" at 1914.09,3944.84 h15 r90; Top Pin Number "T4" at 1213.31,4072.4 h15 r90; Top Pin Number "B1" at 1288.11,3982.24 h15 r90; Top Pin Number "B4" at 1382.6,3982.24 h15 r90; Top Pin Number "B7" at 1477.09,3982.24 h15 r90; Top Pin Number "B12" at 1634.41,3982.24 h15 r90; Top Pin Number "B15" at 1728.89,3982.24 h15 r90
J901: Top Assembly "5" at 471.13,207.71 h25; Top Assembly "1" at 371.63,205.46 h25; Top Assembly "PCB EDGE" at 114.58,78.97 h25 r90; Top Pin Number "4" at 446.36,165.52 h15; Top Pin Number "1" at 373.16,165.52 h15; Top Pin Number "3" at 421.13,164.54 h15; Top Pin Number "2" at 395.54,165.52 h15; Top Pin Number "S3" at 386.39,56.03 h15 r90; Top Pin Number "S1" at 295.83,51.37 h15 r90; Top Pin Number "S5" at 316.03,158.64 h15; Top Pin Number "S2" at 571.42,48.15 h15 r90; Top Pin Number "S4" at 480.87,55.68 h15 r90; Top Pin Number "S6" at 513.23,158.63 h15; Top Pin Number "5" at 472.31,165.52 h15
J902: Top Overlay "1" at 2175.96,3745.67 h31; Top Overlay "2" at 2168.13,3861.29 h31; Board Layer Stack Bottom Overlay "1" at 2223.13,3764.46 h31; Top Assembly "2" at 2161.96,3854.67 h25; Top Assembly "1" at 2164.96,3767.67 h25; Top Assembly "9" at 2536.96,3763.67 h25; Top Assembly "10" at 2528.96,3857.67 h25; Top Pin Number "7" at 2425.64,3770.67 h25 r90; Top Pin Number "9" at 2475.64,3770.67 h25 r90; Top Pin Number "1" at 2275.64,3770.67 h25 r90; Top Pin Number "10" at 2475.32,3845.67 h25 r90; Top Pin Number "6" at 2375.64,3845.67 h25 r90; Top Pin Number "8" at 2425.64,3845.67 h25 r90; Top Pin Number "4" at 2325.64,3845.67 h25 r90; Top Pin Number "2" at 2275.64,3845.67 h25 r90; Top Pin Number "5" at 2375.64,3770.67 h25 r90; Top Pin Number "3" at 2325.64,3770.67 h25 r90
J1001: Board Layer Stack Bottom Overlay "1" at 3117.13,1772.45 h31; Board Layer Stack Bottom Overlay "60" at 3123.63,577.45 h31; Bottom Pin Number "1" at 3190.18,1739.03 h15; Bottom Pin Number "3" at 3193.39,1694.3 h15; Bottom Pin Number "59" at 3199.87,581.41 h15; Bottom Pin Number "58" at 3200.23,600.49 h15; Bottom Pin Number "57" at 3200.23,620.18 h15; Bottom Pin Number "56" at 3199.87,640.46 h15; Bottom Pin Number "55" at 3200.23,659.55 h15; Bottom Pin Number "54" at 3200.59,678.64 h15; Bottom Pin Number "53" at 3200.23,698.92 h15; Bottom Pin Number "52" at 3200.23,718.6 h15; Bottom Pin Number "37" at 3200.23,1013.88 h15; Bottom Pin Number "36" at 3199.87,1034.16 h15; Bottom Pin Number "35" at 3200.23,1053.25 h15; Bottom Pin Number "34" at 3200.59,1072.34 h15; Bottom Pin Number "31" at 3197.02,1137.35 h15; Bottom Pin Number "39" at 3199.87,975.11 h15; Bottom Pin Number "51" at 3197.02,743.65 h15; Bottom Pin Number "50" at 3200.23,757.97 h15; Bottom Pin Number "46" at 3199.87,837.31 h15; Bottom Pin Number "2" at 3193.39,1713.98 h15; Bottom Pin Number "47" at 3200.23,817.03 h15; Bottom Pin Number "48" at 3200.23,797.34 h15; Bottom Pin Number "44" at 3200.59,875.49 h15; Bottom Pin Number "41" at 3197.02,940.5 h15; Bottom Pin Number "43" at 3200.23,895.77 h15; Bottom Pin Number "33" at 3200.23,1092.62 h15; Bottom Pin Number "29" at 3199.87,1171.96 h15; Bottom Pin Number "24" at 3200.59,1269.19 h15; Bottom Pin Number "19" at 3198.69,1370.77 h15; Bottom Pin Number "10" at 3199.05,1547.34 h15; Bottom Pin Number "18" at 3199.05,1389.86 h15; Bottom Pin Number "25" at 3200.23,1250.1 h15; Bottom Pin Number "23" at 3200.23,1289.47 h15; Bottom Pin Number "21" at 3197.01,1334.2 h15; Bottom Pin Number "15" at 3199.05,1448.92 h15; Bottom Pin Number "13" at 3199.05,1488.29 h15; Bottom Pin Number "11" at 3195.84,1533.01 h15; Bottom Pin Number "20" at 3200.23,1348.52 h15; Bottom Pin Number "26" at 3199.87,1231.01 h15; Bottom Pin Number "22" at 3200.23,1309.15 h15; Bottom Pin Number "6" at 3193.03,1635.83 h15; Bottom Pin Number "12" at 3199.05,1507.97 h15; Bottom Pin Number "14" at 3199.41,1468 h15; Bottom Pin Number "27" at 3200.23,1210.73 h15; Bottom Pin Number "8" at 3193.39,1595.87 h15; Bottom Pin Number "16" at 3198.69,1429.82 h15; Bottom Pin Number "9" at 3193.03,1576.78 h15; Bottom Pin Number "4" at 3193.75,1674.01 h15; Bottom Pin Number "60" at 3199.84,561.78 h15; Bottom Pin Number "49" at 3199.87,778.26 h15; Bottom Pin Number "45" at 3200.23,856.4 h15; Bottom Pin Number "38" at 3200.23,994.19 h15; Bottom Pin Number "42" at 3200.23,915.45 h15; Bottom Pin Number "40" at 3200.23,954.82 h15; Bottom Pin Number "32" at 3200.23,1112.3 h15; Bottom Pin Number "30" at 3200.23,1151.67 h15; Bottom Pin Number "28" at 3200.23,1191.04 h15; Bottom Pin Number "17" at 3199.05,1409.55 h15; Bottom Pin Number "7" at 3193.39,1615.56 h15; Bottom Pin Number "5" at 3193.39,1654.93 h15
J1003: Top Overlay "1" at 3121.63,3233.79 h59.8; Top Overlay "2" at 3411.63,3233.79 h59.8; Top Overlay "39" at 3123.83,1118.89 h59.8; Top Overlay "40" at 3348.83,1118.89 h59.8; Top Assembly "40" at 3361.35,1176.06 h25; Top Assembly "39" at 3155.63,1176.06 h25; Top Assembly "2" at 3371.44,3241.38 h25; Top Assembly "1" at 3167.73,3241.38 h25; Top Pin Number "6" at 3373.91,2968.79 h25; Top Pin Number "9" at 3179.03,2768.79 h25; Top Pin Number "14" at 3373.75,2568.79 h25; Top Pin Number "20" at 3373.75,2268.79 h25; Top Pin Number "30" at 3373.75,1768.79 h25; Top Pin Number "34" at 3373.75,1568.79 h25; Top Pin Number "39" at 3178.87,1268.79 h25; Top Pin Number "25" at 3178.87,1968.79 h25; Top Pin Number "7" at 3179.03,2868.79 h25; Top Pin Number "11" at 3178.87,2668.79 h25; Top Pin Number "8" at 3373.91,2868.79 h25; Top Pin Number "10" at 3373.75,2768.79 h25; Top Pin Number "4" at 3373.91,3068.79 h25; Top Pin Number "2" at 3373.91,3168.79 h25; Top Pin Number "24" at 3373.75,2068.79 h25; Top Pin Number "5" at 3179.03,2968.79 h25; Top Pin Number "3" at 3179.03,3068.79 h25; Top Pin Number "23" at 3178.87,2068.79 h25; Top Pin Number "21" at 3178.87,2168.79 h25; Top Pin Number "19" at 3178.87,2268.79 h25; Top Pin Number "12" at 3373.75,2668.79 h25; Top Pin Number "13" at 3178.87,2568.79 h25; Top Pin Number "15" at 3178.87,2468.79 h25; Top Pin Number "16" at 3373.75,2468.79 h25; Top Pin Number "33" at 3178.87,1568.79 h25; Top Pin Number "32" at 3373.75,1668.79 h25; Top Pin Number "36" at 3373.75,1468.79 h25; Top Pin Number "38" at 3373.75,1368.79 h25; Top Pin Number "40" at 3373.75,1268.79 h25; Top Pin Number "35" at 3178.87,1468.79 h25; Top Pin Number "37" at 3178.87,1368.79 h25; Top Pin Number "1" at 3179.03,3168.79 h25; Top Pin Number "17" at 3178.87,2368.79 h25; Top Pin Number "31" at 3178.87,1668.79 h25; Top Pin Number "29" at 3178.87,1768.79 h25; Top Pin Number "27" at 3178.87,1868.79 h25; Top Pin Number "18" at 3373.75,2368.79 h25; Top Pin Number "26" at 3373.75,1968.79 h25; Top Pin Number "28" at 3373.75,1868.79 h25; Top Pin Number "22" at 3373.75,2168.79 h25
J1004: Top Overlay "8" at 75.63,875.79 h31; Top Overlay "7" at 336.42,870.31 h31; Top Overlay "2" at 60.63,1272.1 h31; Top Overlay "1" at 342.09,1277.54 h31; Top Assembly "2" at 81.63,1225.79 h25; Top Assembly "1" at 321.63,1225.79 h25; Top Assembly "8" at 81.63,920.79 h25; Top Assembly "7" at 316.63,920.79 h25; Top Pin Number "1" at 313.97,1220.79 h25; Top Pin Number "2" at 91.47,1220.79 h25; Top Pin Number "5" at 313.97,1020.79 h25; Top Pin Number "6" at 91.47,1020.79 h25; Top Pin Number "3" at 313.97,1120.79 h25; Top Pin Number "4" at 91.47,1120.79 h25; Top Pin Number "7" at 313.97,920.79 h25; Top Pin Number "8" at 91.47,920.79 h25
L101: Board Layer Stack Bottom Overlay "1" at 89.9,1931.65 h31 r270; Top Pin Number "2" at 382.41,2015.72 h25; Top Pin Number "1" at 153.71,2015.72 h25
L102: Board Layer Stack Bottom Overlay "1" at 1516.9,2332.18 h15 r90
L502: Top Overlay "1" at 2242.2,1172.72 h31 r270; Bottom Pin Number "2" at 2197.2,1070.08 h25 r270; Bottom Pin Number "1" at 2197.2,1135.04 h25 r270; Top Assembly "1" at 2247.2,1172.72 h25 r270
Q101: Board Layer Stack Bottom Overlay "1" at 1556.77,2580.15 h31 r270; Top Assembly "5" at 1711.63,2520.53 h25; Top Assembly "4" at 1627.82,2475.53 h25; Top Assembly "1" at 1619.45,2561.92 h25; Top Pin Number "1" at 1612.65,2561.42 h15; Top Pin Number "2" at 1615.86,2535.83 h15; Top Pin Number "3" at 1615.86,2510.23 h15; Top Pin Number "5" at 1671.77,2523.03 h15; Top Pin Number "4" at 1616.22,2484.64 h15
Q102: Board Layer Stack Bottom Overlay "3" at 984.3,2588.64 h15 r90; Board Layer Stack Bottom Overlay "2" at 1136.37,2652.22 h15 r90; Board Layer Stack Bottom Overlay "1" at 1134.38,2530.68 h15 r90
Q301: Top Overlay "3" at 1503.24,1029.48 h15 r270; Top Overlay "2" at 1351.17,965.9 h15 r270; Top Overlay "1" at 1353.16,1081.01 h15 r270
Q604: Board Layer Stack Bottom Overlay "1" at 2365.06,3277.44 h15 r270; Board Layer Stack Bottom Overlay "2" at 2363.07,3155.91 h15 r270; Board Layer Stack Bottom Overlay "3" at 2515.14,3219.49 h15 r270
Q903: Board Layer Stack Bottom Overlay "3" at 768.65,2572.04 h15 r90; Board Layer Stack Bottom Overlay "2" at 920.72,2635.62 h15 r90; Board Layer Stack Bottom Overlay "1" at 918.73,2514.08 h15 r90
Q1001: Board Layer Stack Bottom Overlay "1" at 3030.91,630.52 h20 r90; Top Pin Number "2" at 3016.71,735.69 h25 r90; Top Pin Number "1" at 3016.71,650.19 h25 r90; Top Pin Number "3" at 2930.11,698.3 h25 r90
Q1002: Board Layer Stack Bottom Overlay "1" at 3075.31,1108.99 h30 r180; Board Layer Stack Bottom Overlay "2" at 2916.46,1105.99 h30 r180; Top Pin Number "2" at 2964.04,1102.41 h20 r180; Top Pin Number "3" at 3001.04,1023.41 h20 r180; Top Pin Number "1" at 3046.61,1102.41 h20 r180
Q1003: Top Overlay "1" at 3373.84,493.72 h15 r90; Top Overlay "2" at 3375.83,608.83 h15 r90; Top Overlay "3" at 3223.76,545.25 h15 r90
R103: Top Pin Number "1" at 1093.4,2393.6 h25 r180; Top Pin Number "2" at 968.04,2393.6 h25 r180
R120: Bottom Pin Number "1" at 1757.54,2331.25 h25 r180; Bottom Pin Number "2" at 1706.83,2331.25 h25 r180
R514: Top Pin Number "1" at 2331.92,215.67 h25 r270; Top Pin Number "2" at 2331.92,94.72 h25 r270
R1001: Bottom Pin Number "2" at 3020.83,1733.28 h25; Bottom Pin Number "1" at 2970.12,1733.28 h25
R1034: Bottom Pin Number "2" at 3017.33,1185.74 h25 r180; Bottom Pin Number "1" at 3068.03,1185.74 h25 r180
SW101: Top Overlay "1" at 3220.65,4142.03 h31; Top Overlay "3" at 3212.78,3945.18 h31; Top Overlay "6" at 3433.25,3945.18 h31; Top Overlay "4" at 3441.12,4149.91 h31; Top Assembly "1" at 3220.65,4142.03 h25; Top Assembly "3" at 3220.65,3945.18 h25; Top Assembly "6" at 3433.25,3945.18 h25; Top Assembly "4" at 3441.12,4149.91 h25; Top Pin Number "2" at 3267.81,4046.79 h25; Top Pin Number "5" at 3393.79,4046.79 h25; Top Pin Number "6" at 3393.79,3948.37 h25; Top Pin Number "3" at 3267.81,3948.37 h25; Top Pin Number "4" at 3393.79,4145.22 h25; Top Pin Number "1" at 3267.81,4145.22 h25
SW901: Top Pin Number "4" at 2207.87,4222.72 h25 r180; Top Pin Number "5" at 2042.51,4222.72 h25 r180; Top Pin Number "7" at 2032.3,4191.18 h25 r180; Top Pin Number "1" at 2050.02,4137.64 h25 r180; Top Pin Number "3" at 2116.95,4128.19 h25 r180; Top Pin Number "6" at 2201.6,4191.18 h25 r180; Top Pin Number "2" at 2183.88,4137.64 h25 r180
SW902: Top Pin Number "2" at 2457.78,4137.64 h25 r180; Top Pin Number "6" at 2475.5,4191.18 h25 r180; Top Pin Number "3" at 2390.85,4128.19 h25 r180; Top Pin Number "1" at 2323.92,4137.64 h25 r180; Top Pin Number "7" at 2306.2,4191.18 h25 r180; Top Pin Number "5" at 2316.41,4222.72 h25 r180; Top Pin Number "4" at 2481.77,4222.72 h25 r180
SW1101: Top Overlay "20" at 2935.63,2179.79 h31 r270; Top Overlay "10" at 2674.63,1618.79 h31 r270; Top Overlay "11" at 2936.63,1620.79 h31 r270; Top Overlay "1" at 2682.63,2148.79 h31 r270; Top Assembly "11" at 2939.63,1617.79 h25 r270; Top Assembly "20" at 2937.63,2167.79 h25 r270; Top Assembly "1" at 2684.63,2144.79 h25 r270; Top Assembly "10" at 2685.63,1622.79 h25 r270; Top Pin Number "11" at 2936.14,1658.79 h25 r270; Top Pin Number "12" at 2936.14,1708.79 h25 r270; Top Pin Number "17" at 2936.14,1958.79 h25 r270; Top Pin Number "14" at 2936.14,1808.79 h25 r270; Top Pin Number "15" at 2936.14,1858.79 h25 r270; Top Pin Number "19" at 2936.14,2058.79 h25 r270; Top Pin Number "20" at 2936.14,2108.79 h25 r270; Top Pin Number "16" at 2936.14,1908.79 h25 r270; Top Pin Number "18" at 2936.14,2008.79 h25 r270; Top Pin Number "13" at 2936.14,1758.79 h25 r270; Top Pin Number "4" at 2694.3,1958.79 h25 r270; Top Pin Number "9" at 2694.3,1708.79 h25 r270; Top Pin Number "7" at 2694.3,1808.79 h25 r270; Top Pin Number "5" at 2694.3,1908.79 h25 r270; Top Pin Number "1" at 2694.3,2108.79 h25 r270; Top Pin Number "6" at 2694.3,1858.79 h25 r270; Top Pin Number "8" at 2694.3,1758.79 h25 r270; Top Pin Number "2" at 2694.3,2058.79 h25 r270; Top Pin Number "10" at 2694.14,1658.79 h25 r270; Top Pin Number "3" at 2694.3,2008.79 h25 r270
SW1102: Top Overlay "1" at 2361.63,2148.79 h31 r270; Top Overlay "11" at 2615.63,1620.79 h31 r270; Top Overlay "10" at 2353.63,1618.79 h31 r270; Top Overlay "20" at 2614.63,2179.79 h31 r270; Top Assembly "10" at 2364.63,1622.79 h25 r270; Top Assembly "1" at 2363.63,2144.79 h25 r270; Top Assembly "20" at 2616.63,2167.79 h25 r270; Top Assembly "11" at 2618.63,1617.79 h25 r270; Top Pin Number "3" at 2373.3,2008.79 h25 r270; Top Pin Number "10" at 2373.14,1658.79 h25 r270; Top Pin Number "2" at 2373.3,2058.79 h25 r270; Top Pin Number "8" at 2373.3,1758.79 h25 r270; Top Pin Number "6" at 2373.3,1858.79 h25 r270; Top Pin Number "1" at 2373.3,2108.79 h25 r270; Top Pin Number "5" at 2373.3,1908.79 h25 r270; Top Pin Number "7" at 2373.3,1808.79 h25 r270; Top Pin Number "9" at 2373.3,1708.79 h25 r270; Top Pin Number "4" at 2373.3,1958.79 h25 r270; Top Pin Number "13" at 2615.14,1758.79 h25 r270; Top Pin Number "18" at 2615.14,2008.79 h25 r270; Top Pin Number "16" at 2615.14,1908.79 h25 r270; Top Pin Number "20" at 2615.14,2108.79 h25 r270; Top Pin Number "19" at 2615.14,2058.79 h25 r270; Top Pin Number "15" at 2615.14,1858.79 h25 r270; Top Pin Number "14" at 2615.14,1808.79 h25 r270; Top Pin Number "17" at 2615.14,1958.79 h25 r270; Top Pin Number "12" at 2615.14,1708.79 h25 r270; Top Pin Number "11" at 2615.14,1658.79 h25 r270
TP1201: Top Pin Number "1" at 240.16,3462 h25 r180
TP1202: Top Pin Number "1" at 1548.16,1238 h25 r180
TP1203: Bottom Pin Number "1" at 3302,3427.84 h25 r270
TVS303: Top Pin Number "1" at 1218.2,506.25 h25 r270; Top Pin Number "2" at 1216.58,436.88 h25 r270
TVS304: Top Pin Number "1" at 1168.43,522.85 h25 r270; Top Pin Number "2" at 1166.81,453.48 h25 r270
TVS307: Top Pin Number "1" at 1451.38,580.39 h25 r90; Top Pin Number "2" at 1453,660.47 h25 r90
TVS308: Top Pin Number "1" at 1715.41,604.06 h25; Top Pin Number "2" at 1784.78,602.44 h25
TVS401: Top Pin Number "2" at 3012.76,606.6 h25 r90; Top Pin Number "1" at 3011.14,537.23 h25 r90
TVS402: Top Pin Number "2" at 2925.2,619.49 h25 r270; Top Pin Number "1" at 2926.82,688.86 h25 r270
TVS701: Top Pin Number "1" at 2579.4,3535.47 h25 r90; Top Pin Number "2" at 2581.02,3615.55 h25 r90
TVS702: Top Pin Number "1" at 2513.05,3518.86 h25 r90; Top Pin Number "2" at 2514.67,3598.95 h25 r90
TVS901: Top Pin Number "2" at 374.75,320.21 h25; Top Pin Number "1" at 305.38,321.83 h25
U101: Board Layer Stack Bottom Overlay "1" at 648.53,1919.33 h30 r270; Board Layer Stack Bottom Overlay "9" at 525.66,1844.17 h30 r270; Board Layer Stack Bottom Overlay "12" at 603.65,1817.28 h30 r270; Top Assembly "1" at 651.64,1922.28 h15 r270; Top Assembly "3" at 612.27,2041.83 h15 r270; Top Assembly "6" at 533.53,2034.68 h15 r270; Top Assembly "9" at 533.53,1861.45 h15 r270; Top Assembly "12" at 628.02,1849.74 h15 r270; Top Pin Number "4" at 592.49,2001.02 h10 r270; Top Pin Number "1" at 604.3,1929 h10 r270; Top Pin Number "7" at 561,1944.41 h10 r270; Top Pin Number "11" at 592.49,1892.27 h10 r270; Top Pin Number "12" at 612.18,1887.99 h10 r270; Top Pin Number "3" at 612.18,2001.5 h10 r270; Top Pin Number "6" at 553.12,2001.97 h10 r270; Top Pin Number "5" at 572.81,2001.5 h10 r270; Top Pin Number "8" at 545.25,1924.72 h10 r270; Top Pin Number "2" at 604.3,1964.1 h10 r270; Top Pin Number "10" at 572.81,1887.99 h10 r270; Top Pin Number "9" at 553.12,1887.79 h10 r270
U102: Board Layer Stack Bottom Overlay "1" at 1325.51,2100.49 h30 r180; Board Layer Stack Bottom Overlay "9" at 1184.09,2080.49 h30 r180; Board Layer Stack Bottom Overlay "7" at 1182.66,2180.49 h30 r180; Top Assembly "1" at 1326.28,2079.35 h15 r180; Top Assembly "3" at 1323.85,2160.35 h15 r180; Top Assembly "9" at 1192.57,2076.35 h15 r180; Top Assembly "7" at 1186.86,2155.35 h15 r180; Top Pin Number "3" at 1308.06,2139.9 h10 r180; Top Pin Number "6" at 1246.68,2172.36 h10 r180; Top Pin Number "9" at 1233.97,2100.52 h10 r180; Top Pin Number "1" at 1314.48,2100.52 h10 r180; Top Pin Number "5" at 1265.66,2172.36 h10 r180; Top Pin Number "4" at 1284.63,2172.36 h10 r180; Top Pin Number "7" at 1233.26,2139.9 h10 r180; Top Pin Number "10" at 1259.66,2067.06 h10 r180; Top Pin Number "2" at 1308.06,2120.21 h10 r180; Top Pin Number "8" at 1233.26,2120.21 h10 r180; Top Pin Number "11" at 1266.09,2120.21 h10 r180